# Altium PCB rt10.PcbDoc (part 2 of 4) (continued)
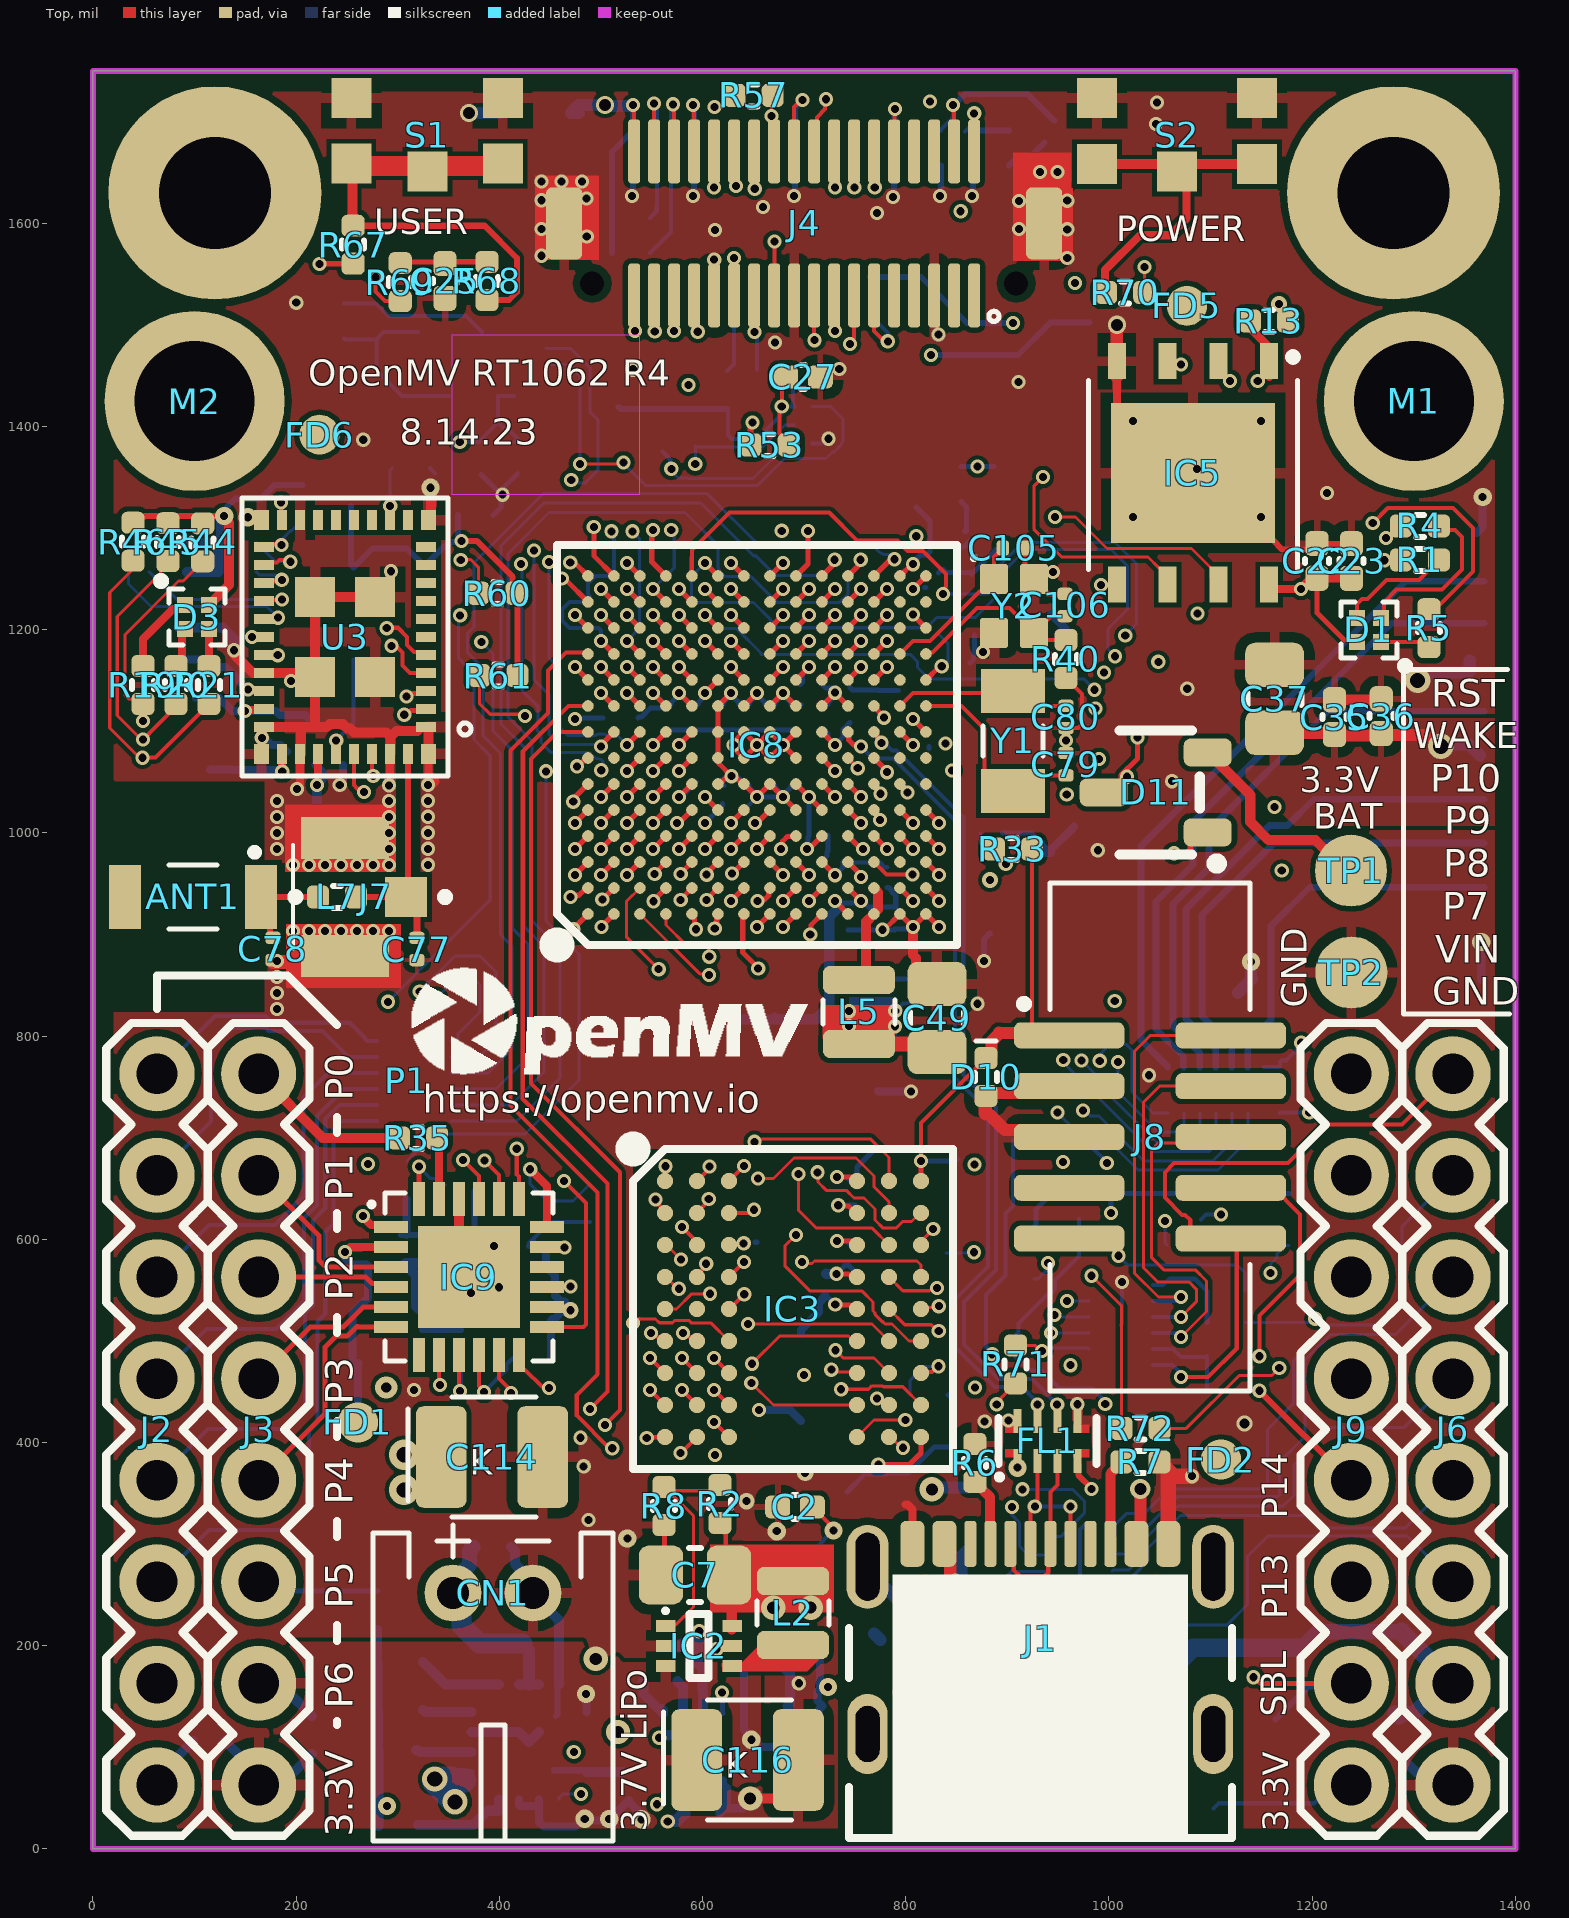
[diagram p0: Top view]
## Nets (pads, with @x,y where several pads share a name; then routed paths per layer and width w, separated by ;. In a path a pad name is that pad's centre, name@x,y a point inside that pad or via, vN(x,y) a via of type N, cw(c..) or ccw(c..) an arc to the next point about the centre after c; other vN are vias at no path point) (continued)
DCMI_D6: IC8.G14 J4.24 | length 543.5
  Top w4: J4.24@650.79,1670.87 651.08,1670.58 651.08,1634.44 v1(651.37,1634.15)
  Top w5: v1(627.95,1265.74) IC8.G14@640.74,1252.95
  L4 w3: v1(627.95,1265.74) 627.95,1447.84 611.22,1464.57 611.22,1536.42 592.52,1555.12 592.52,1595.47 572.83,1615.16 572.83,1630.28 594.55,1652 644,1652 651.37,1644.63 v1(651.37,1634.15)
DCMI_D7: IC8.F11 J4.22 R57.1 | length 751.9
  Top w3: v1(667.85,1705.78) 667.85,1724.85 R57.1@669,1726
  Top w4: v1(667.85,1705.78) 669.16,1704.47 669.16,1672.18 J4.22@670.47,1670.87
  Top w5: v1(602.36,1188.97) IC8.F11@615.15,1176.18
  L4 w3: v1(602.36,1188.97) 600.26,1191.07 600.26,1195.74 589.86,1206.14 589.86,1274.9 605.32,1290.35 605.32,1441.93 571.24,1476 523,1476 517,1482 517,1502 565.11,1550.11 565.11,1639.67 631.22,1705.78 v1@667.82,1705.78
DCMI_FSIN: J4.23 R28.1 | length 73.9
  Top w4: J4.23@650.79,1529.13 650.9,1529.02 650.9,1493.12 v1(651.01,1493.02)
  Bottom w4: v1(651.01,1493.02) 651.01,1490.85 653.54,1488.32 R28.1@653.54,1456.37
DCMI_HSYNC: IC8.L10 J4.18 | length 793.4
  Top w4: J4.18@709.84,1670.87 712.49,1673.52 712.49,1704.37 720.69,1712.57 720.69,1721.37 v1(721.48,1722.16)
  Top w5: IC8.L10@743.11,1150.59 v1(755.9,1163.38)
  L4 w3: v1(721.48,1722.16) 722.37,1721.27 762.98,1721.27 820,1664.25 820,1618 865,1573 865,1426.46 768.4,1329.86 768.4,1289 776.27,1281.13 776.27,1263.04 793.99,1245.33 793.99,1182.99 786.88,1175.88 768.4,1175.88 v1(755.9,1163.38)
DCMI_MISO: IC8.E7 J4.15 | length 550.1
  Top w4: J4.15@729.53,1529.13 729.92,1528.74 729.92,1494.49 v1(730.32,1494.09)
  Top w5: v1(576.77,1061.02) IC8.E7@589.56,1073.81
  L4 w3: v1(576.77,1061.02) 576.77,1064 580.03,1067.25 580.03,1068.03 640.75,1128.75 640.75,1145.67 648,1152.92 648,1306.46 707.68,1366.14 707.68,1452.68 730.32,1475.32 v1(730.32,1494.09)
DCMI_MOSI: IC8.E8 J4.17 | length 525.4
  Top w4: J4.17@709.84,1529.13 709.84,1485.48 v1(710.27,1485.05)
  Top w5: v1(576.77,1086.62) IC8.E8@589.56,1099.41
  L4 w3: v1(576.77,1086.62) 615.44,1125.29 615.44,1196.44 621.06,1202.06 637.06,1202.06 641,1206 641,1312.26 699.8,1371.06 699.8,1474.58 v1(710.27,1485.05)
DCMI_PCLK: IC8.D13 J4.14 | length 648.6
  Top w4: J4.14@749.21,1670.87 749.29,1670.79 749.29,1635.46 v1(749.38,1635.38)
  Top w5: v1(551.18,1240.15) IC8.D13@563.97,1227.36
  L6 w3: v1(569.19,1298.12) 569.19,1299.91 507.26,1361.84 507.26,1487.44 530.83,1511 557,1511 574,1528 657,1528 749.38,1620.38 v1(749.38,1635.38)
  Bottom w3: v1(551.18,1240.15) 572.11,1261.08 572.11,1292.23 569.19,1295.15 v1(569.19,1298.12)
DCMI_PWDN: IC8.C11 J4.25 R29.1 | length 629.3
  Top w5: v1(525.59,1188.97) IC8.C11@538.38,1176.18
  L6 w3: v1(530.9,1296.89) 528.81,1298.98 528.81,1305.06 493.26,1340.61 493.26,1495.27 525.03,1527.03 541.03,1527.03 563,1549 614,1549 v1(631,1566)
  Bottom w3: v1(525.59,1188.97) 538,1201.38 538,1213.05 ccw(c525.59,1214.56) 538,1216.06 538,1238.64 ccw(c525.59,1240.15) 538,1241.65 538,1264.23 538.09,1264.33 538.09,1265.74 538.09,1267.15 538,1267.24 538,1289.79 v1(530.9,1296.89)
  Bottom w4: R29.1@624.02,1454.72 631,1461.71 v1(631,1566)
DCMI_RST: IC8.B11 J4.21 R27.1 | length 766.7
  Top w4: J4.21@670.47,1529.13 670.62,1529.28 670.62,1581.87 v1(670.79,1582.04)
  Top w5: v1(500,1188.97) IC8.B11@512.79,1176.18
  L6 w3: v1(510.45,1296.89) 510,1297.34 510,1309.26 503.06,1316.2 482.7,1316.2 450,1348.9 450,1462.8 522.41,1535.21 533.21,1535.21 577,1579 664.77,1579 667.81,1582.04 v1(670.79,1582.04)
  Bottom w3: v1(670.79,1582.04) 670.82,1547.69 R27.1@674.21,1544.29
  Bottom w4: v1(500,1188.97) 499.86,1189.11 499.86,1199.22 497.52,1201.56 469.03,1201.56 461.41,1209.17 461.41,1219.94 469.03,1227.56 486.21,1227.56 488.55,1229.9 488.55,1233.22 487,1234.76 487,1245.53 494.62,1253.15 510.25,1253.15 512.59,1255.49 512.59,1271.12 512.8,1271.33 512.8,1289.55 512.36,1289.98 512.36,1294.97 v1(510.45,1296.89)
DCMI_SCL: IC8.J11 J4.32 R30.1 | length 1011
  Top w4: v1(571,1717.17) 572.05,1716.12 J4.32@572.05,1670.87
  Top w5: IC8.J11@691.93,1176.18 v1(704.72,1188.97)
  L4 w3: v1(571,1717.17) 588.17,1700 614.75,1700 633.39,1718.64 672.67,1718.64 698.31,1693 753,1693 801,1645 801,1604 811,1594 811,1392.26 742.77,1324.04 742.77,1238.26 743.4,1237.63 743.4,1209.97 734.9,1201.47 717.22,1201.47 v1(704.72,1188.97)
  Bottom w4: R30.1@548.23,1570.87 568.9,1591.54 568.9,1710.7 569.08,1710.89 569.08,1715.26 v1(571,1717.17)
DCMI_SCLK: IC8.D8 J4.13 | length 640.1
  Top w4: 749.21,1487.2 J4.13@749.21,1529.13
  Top w5: v1(551.18,1086.62) IC8.D8@563.97,1099.41
  L4 w3: v1(551.18,1086.62) 552.35,1085.45 552.35,1077.53 563.68,1066.2 563.68,1050.51 565.67,1048.52 581.95,1048.52 604.61,1071.19 604.61,1080.01 648.25,1123.65 657.08,1123.65 666.04,1132.61 666.04,1142.97 655,1154.01 655,1299.27 751,1395.27 751,1474.1 745,1480.1 v1(745,1481.35)
DCMI_SDA: IC8.K11 J4.34 R31.1 | length 1031.4
  Top w4: v1(552.31,1717.88) 552.36,1717.82 J4.34@552.36,1670.87
  Top w5: IC8.K11@717.52,1176.18 v1(730.31,1188.97)
  L4 w3: v1(552.31,1717.88) 564.47,1730.04 671.96,1730.04 700.26,1701.74 767.75,1701.74 810,1659.49 810,1610 855,1565 855,1426.36 761,1332.36 761,1286 768.99,1278.01 768.99,1209.97 761.08,1202.06 760.06,1202.06 760,1202 750.07,1202 738.8,1190.74 732.08,1190.74 v1(730.31,1188.97)
  Bottom w4: R31.1@548.23,1605.32 554.88,1611.97 554.88,1616.84 555.12,1617.08 555.12,1712.36 552.31,1715.17 v1(552.31,1717.88)
DCMI_SSEL: IC8.D7 J4.11 R24.1 | length 749.7
  Top w4: J4.11@768.9,1529.13 768.9,1493.9 777.55,1485.24 780.98,1485.24 v1(782.32,1483.91)
  Top w5: v1(551.18,1061.02) IC8.D7@563.97,1073.81
  L4 w3: v1(551.18,1061.02) 552.36,1059.85 552.36,1051.93 563.68,1040.61 563.68,1030.32 570,1024 571,1024 572.07,1022.93 581.95,1022.93 589.27,1030.25 589.27,1040.01 590.31,1041.05 590.31,1045.14 618.01,1072.83 684.06,1072.83 691.8,1080.58 691.8,1219.32 699.54,1227.06 701.71,1227.06 702.01,1227.36 708.66,1227.36 708.95,1227.65 709.9,1227.65 717.45,1235.2 717.45,1281.45 725,1289 725,1316.16 782.32,1373.49 v1(782.32,1483.91)
  Bottom w4: R24.1@764.76,1509.84 782.38,1492.23 782.38,1483.96 v1(782.32,1483.91)
DCMI_VSYNC: IC8.D14 J4.16 | length 600.9
  Top w4: J4.16@729.53,1670.87 729.96,1670.44 729.96,1635.94 v1(730.4,1635.5)
  Top w5: v1(551.08,1298.17) 549.99,1297.08 549.99,1266.93 551.18,1265.74 IC8.D14@563.97,1252.95
  L6 w3: v1(551.08,1298.17) 551.08,1300.58 500.26,1351.4 500.26,1491.71 527.09,1518.54 548.54,1518.54 569,1539 650,1539 730.4,1619.4 v1(730.4,1635.5)
EN: IC2.5 Q1.3 R3.1 | length 813.6
  Top w3: IC2.5@627.23,198.15 IC2.5@628.77,196.6
  Top w5: v1@613.72,196.63 625.71,196.63 IC2.5@627.23,198.15
  L4 w3: v1(613.69,196.66) 612.21,198.14 612.21,227.08 721.13,336 852,336 873,357 873,385 894,406 964.3,406 v1(996.35,438.04)
  Bottom w4: Q1.3@970.47,620.08 970.47,583.66 947.01,560.2 947.01,550.48 941.7,545.18 938.88,545.18 R3.1@916.34,522.64 910.74,517.04 910.74,508.74 901,499 901,491 921.17,470.83 934.17,470.83 952,453 984,453 996.35,440.65 v1(996.35,438.04)
ETH_INT: IC8.C10 IC9.18 R36.1 | length 786.6
  Top w5: v1(525.59,1163.38) IC8.C10@538.38,1150.59
  Top w8: v1@430.66,668.7 446.85,652.52 IC9.18@446.85,612.2
  L4 w3: v1(430.28,669.09) 430.82,669.63 430.82,753.98 426,758.8 426,847.8 392,881.8 392,1118.54 411.42,1137.96 482.5,1137.96 494.82,1150.29 504.59,1150.29 511.88,1157.58 518.33,1157.58 524.13,1163.38 v1(525.59,1163.38)
  Bottom w3: v1(430.28,669.09) 430.28,654.36 446.85,637.8 472.44,637.8 R36.1@489.17,654.53
ETH_LED: IC9.23 R35.1 | length 69.9
  Top w8: R35.1@334.98,707.1 340.05,702.03 340.55,702.03 IC9.23@340.55,639.76
ETH_MDC: IC8.A7 IC9.11 | length 700.3
  Top w4: IC9.11@399.61,486.22 399.51,486.12 399.51,463.06 408.45,454.12 408.45,453.68 411.42,450.71 v1(411.42,448.82)
  Top w5: v1(476.3,1065.62) 477.65,1065.62 485.84,1073.81 IC8.A7@487.2,1073.81
  L6 w3: v1(411.42,448.82) 423.23,460.63 423.23,636.23 457,670 457,1039 474.21,1056.21 474.21,1063.53 v1(476.3,1065.62)
ETH_MDIO: IC8.C7 IC9.10 R39.1 | length 832.5
  Top w4: IC9.10@379.92,486.22 379.92,455.65 384.84,450.72 v1(384.84,449.8)
  Top w5: v1(525.59,1061.02) IC8.C7@538.38,1073.81
  L6 w3: v1(384.84,449.8) 384.84,446.85 402.56,429.13 416.34,429.13 434.06,446.85 434.06,599.41 485.75,651.1 485.75,952.32 487.5,954.07 487.5,1043 492.5,1048 493,1048 493.43,1048.43 513,1048.43 v1(525.59,1061.02)
  Bottom w4: v1(384.84,449.8) 406.73,471.69 406.73,476.62 R39.1@413.39,483.27
ETH_RST: C65.2 IC8.D10 IC9.24 R34.1 | length 761.6
  Top w3: v1(320.77,671.58) v1@320.87,671.48
  Top w5: IC9.24@320.87,639.76 v1@320.87,671.48 ; v1(551.18,1163.38) IC8.D10@563.97,1150.59
  L4 w3: 449.37,1067.37 490,1108 524,1108 538.39,1122.39 538.39,1142.67 546,1150.29 546.31,1150.29 550.16,1154.14 550.16,1162.36 v1(551.18,1163.38)
  Bottom w3: R34.1@309.06,677.17 335.63,703.74 425.2,703.74 478.35,756.89 478.35,880.74 445.8,913.28 v1(445.8,1060.68) ; v1(320.77,671.58) 332.58,659.78 340.81,659.78 C65.2@347.05,653.54
ETH_RXD0: IC8.E12 IC9.13 | length 911.6
  Top w4: IC9.13@446.85,513.78 482.89,513.78 485.24,516.13 485.24,635.96 v1(463.6,657.6)
  Top w5: v1(576.77,1214.56) IC8.E12@589.56,1201.77
  L4 w3: v1@462.71,657.1 470.49,664.88 470.49,734.11 440,764.6 440,853.6 414,879.6 414,1001.13 463.8,1050.92 493.96,1050.92 495.64,1049.25 506.4,1049.25 513.09,1055.93 513.09,1071.76 515.45,1074.12 530.77,1074.12 538.42,1081.77 538.42,1091.54 546.07,1099.19 553.91,1099.19 580.62,1125.9 ccw(c576.77,1137.79) 588.66,1133.94 589.86,1135.14 589.86,1194.42 578.38,1205.9 578.38,1212.95 v1(576.77,1214.56)
ETH_RXD1: IC8.D12 IC9.12 | length 999.5
  Top w4: IC9.12@419.29,486.22 419.29,475.4 423.19,471.49 425.41,471.49 441.86,455.04 447.52,455.04 v1(448.82,453.74)
  Top w5: v1(551.18,1214.56) IC8.D12@563.97,1201.77
  L4 w3: v1(448.82,453.74) 483.96,488.88 483.96,616.31 445,655.27 445,749.7 433,761.7 433,850.7 404,879.7 404,1117.15 415,1128.15 491.96,1128.15 494.82,1125.29 505.18,1125.29 513.09,1133.2 513.09,1142.97 520.71,1150.58 530.47,1150.58 538.09,1158.2 538.09,1159.15 538.68,1159.74 538.68,1194.15 550.01,1205.47 550.01,1213.38 v1(551.18,1214.56)
ETH_RXDV: IC8.C12 IC9.15 | length 836.1
  Top w5: v1(525.59,1214.56) IC8.C12@538.38,1201.77
  L4 w3: v1(470,553.62) 470,554.03 476.68,560.72 476.68,609.15 472.31,613.53 464.23,613.53 410.43,667.32 410.43,677.17 382.2,705.4 382.2,810.8 378,815 378,1148.1 419.9,1190 480,1190 492,1202 507,1202 517.45,1212.45 523.49,1212.45 v1(525.59,1214.56)
ETH_RXERR: IC8.C13 IC9.17 | length 881.5
  Top w5: v1(525.59,1240.15) IC8.C13@538.38,1227.36
  L4 w3: v1@469.68,592.1 v1(464.18,592.1) 404.71,651.57 370.69,651.57 351,671.26 351,1184.49 396.57,1230.06 492.62,1230.06 ccw(c500,1240.15) 507.38,1230.06 515.5,1230.06 v1(525.59,1240.15)
ETH_TXCLK: IC8.B13 IC9.8 | length 1009.3
  Top w4: IC9.8@340.55,486.22 340.55,457.68 v1(341.54,456.69)
  Top w5: v1(500,1240.15) IC8.B13@512.79,1227.36
  L4 w3: v1(341.54,456.69) 341.54,787.4 306.1,822.83 306.1,880.1 344,918 344,1224 360.15,1240.15 454.25,1240.15 ccw(c461.32,1250.46) 468.39,1240.15 v1(500,1240.15)
ETH_TXD0: IC8.B12 IC9.20 | length 702.1
  Top w4: v1(385.21,677.62) 399.61,663.23 IC9.20@399.61,639.76
  Top w5: v1(500,1214.56) IC8.B12@512.79,1201.77
  L4 w3: v1@389.3,674.57 375.2,688.67 375.2,804.8 370,810 370,1150 422,1202 479.74,1202 491.02,1213.28 498.72,1213.28 v1(500,1214.56)
ETH_TXD1: IC8.A12 IC9.21 | length 699.1
  Top w4: v1(364.07,678.04) 379.92,662.19 IC9.21@379.92,639.76
  Top w5: v1(474.41,1214.56) IC8.A12@487.2,1201.77
  L4 w3: v1(364.07,678.04) 364.07,794.93 358,801 358,1181.59 390.97,1214.56 v1(474.41,1214.56)
ETH_TXEN: IC8.A13 IC9.19 | length 849.4
  Top w4: v1(417.11,689.26) 417.11,663.87 419.29,661.69 IC9.19@419.29,639.76
  Top w5: v1(461.32,1250.46) 463.04,1248.73 465.82,1248.73 IC8.A13@487.2,1227.36
  L4 w3: v1(417.11,689.26) 409.45,696.92 409.45,842.52 385,866.97 385,1128.22 432.78,1176 508,1176 513.09,1181.09 513.09,1194.15 520.41,1201.47 530.18,1201.47 538.09,1209.38 538.09,1245.33 530.77,1252.65 527.86,1252.65 527.56,1252.95 468.58,1252.95 468.19,1252.56 463.42,1252.56 v1(461.32,1250.46)
ETH_VDD_1.2: C83.2 C84.1 IC9.1 | length 32.6
  Top w8: v1(265.89,622.95) 265.89,621.79 273.57,614.11 291.4,614.11 IC9.1@293.31,612.2
ETH_VDDA_3.3: C81.1 C82.2 C85.1 IC9.2 L8.1 | length 229.5
  Top w8: v1(248,587.62) 248.54,587.62 253.22,592.31 263.68,592.31 263.9,592.52 IC9.2@293.31,592.52
  Bottom w8: v1(248,587.62) 248.38,587.24 248.38,580.24 253.16,575.46 269.12,575.46 270.52,574.07 270.52,542.18 255.51,527.17 L8.1@255.51,478.38 ; C82.2@260.87,430.62 260.87,477.8 L8.1@261.45,478.38
FB: IC2.1 R2.1 R8.2 | length 221.5
  Top w3: IC2.1@558.72,217.8 561.61,220.7 573.51,220.7 591,238.19 591,327.94 R8.2@566.32,352.62 ; R8.2@562.01,356.3 565.69,352.62 R8.2@566.32,352.62 ; R2.1@616.4,353.13 615.89,352.62 R8.2@566.32,352.62
FEED: ANT1.1 C78.1 L7.1 | length 81.8
  Top w6: ANT1.1@173.23,937.01 L7.1@217.32,937.01 ; C78.1@174.22,899.99 ANT1.1@174.22,936.02 ; C78.1@177.13,896.8 C78.1@177.13,897.08
  Top w13.78: ANT1.1@173.23,937.01 ANT1.1@174.22,936.02
GND: C1.1 C2.1 C3.1 C4.1 C5.1 C6.2 C7.2 C8.1 C9.1 C10.1 C11.1 C12.2 C13.2 C14.2 C15.2 C16.2 C17.1 C18.1 C19.2 C20.2 C21.1 C22.2 C23.1 C24.2 C25.1 C26.2 C27.1 C28.2 C29.2 C30.2 C31.1 C32.2 C33.1 C34.2 C35.1 C36.2 C37.2 C38.2 C39.1 C40.1 C41.1 C42.1 C43.2 C44.1 C45.2 C46.1 C47.2 C48.2 C49.1 C50.2 C51.2 C52.1 C53.2 C54.2 C55.2 C56.2 C57.1 C58.1 C59.2 C60.1 C61.1 C62.2 C63.2 C64.2 C65.1 C66.1 C67.2 C68.1 C69.2 C70.2 C71.2 C72.1 C73.1 C74.2 C75.2 C76.2 C77.2 C78.2 C79.2 C80.2 C81.2 C82.1 C83.1 C84.2 C85.2 C86.1 C87.1 C88.2 C89.2 C90.1 C91.1 C92.1 C93.1 C94.1 C95.1 C96.2 C97.1 C98.1 C99.1 C100.1 C101.1 C102.2 C103.1 C104.1 C105.2 C106.2 C107.2 C108.1 C109.2 C110.2 C111.2 C112.1 C113.1 C114.2 C116.2 CN1.2 D2.2 D4.2 D5.2 D7.2 D8.2 D10.2 D13.2 D14.2 FL1.5 FL1.8 FL2.13 FL3.17 FL4.13 FL5.13 IC1.1 IC1.4 IC1.5 IC2.2 IC3.A1 IC3.A3 IC3.B7 IC3.C3 IC3.D7 IC3.E3 IC3.J1 IC4.19 IC4.EP IC5.4 IC5.9 IC7.3 IC8.A1 IC8.A14 IC8.B5 IC8.B10 IC8.E2 IC8.E13 IC8.G7 IC8.G8 IC8.H7 IC8.H8 IC8.J7 IC8.J8 IC8.K2 IC8.K6 IC8.K9 IC8.K13 IC8.L9 IC8.N1 IC8.N2 IC8.N5 IC8.N8 IC8.P1 IC8.P14 IC9.22 IC9.25 J1.A1_B12 J1.B1_A12 J3.1 J4.5 J4.19 J4.27 J4.M J5.CD$2 J5.P$6 J5.SH J6.1 J7.2 J7.3 J8.3 J8.5 Q6.G R6.2 R7.2 R8.1 R9.2 R10.2 R11.2 R12.2 R27.2 R37.2 R38.2 R40.2 R41.2 S1.1 S1.5 S2.1 S2.5 TP2.1 U1.2 U2.4 U2.6 U2.8 U2.15 U2.17 U3.1 U3.12 U3.19 U3.21 U3.29 U3.32 U3.33 U3.35 U3.40 U3.42 U3.43 U3.44 U3.45 U3.46 X1.2 Y2.2 Y2.4 | length 5568.9
  Top w4: v1(545.02,404.46) 545.82,405.26 562.73,405.26 IC3.J1@563,405.52 ; IC3.A1@563,657.48 563.2,657.7 563.2,671.76 v1(563.4,671.96) ; J4.27@611.39,1529.16 v1(611.37,1564.29) ; IC3.C3@625.99,594.49 626.79,595.31 639.59,595.31 v1(640.41,596.12) ; IC3.A3@625.99,657.48 v1(640.75,672.25) ; IC3.E3@626.22,531.21 v1(640.99,545.97) ; J4.5@827.95,1529.13 830.97,1526.11 830.97,1491.92 v1(832.31,1490.58) ; C80.2@957.68,1103.17 969.31,1103.17 973.43,1107.28 973.43,1136.81 R40.2@957.68,1152.56
  Top w5: J7.2@248.03,878.94 J7.2@252.79,874.18 ; C77.2@318.24,874.18 C77.2@318.86,874.8 ; v1(469.77,1266.35) 470.73,1265.39 474.76,1265.39 IC8.A14@487.2,1252.95 ; v1(472.99,905.18) 472.99,906.06 IC8.A1@487.2,920.27 ; v1(500,1009.84) IC8.B5@512.79,1022.63 ; v1(500,1163.38) IC8.B10@512.79,1150.59 ; C7.2@558.79,247.05 562.56,250.82 R8.1@562.56,315.22 ; v1(576.77,1240.15) IC8.E13@589.56,1227.36 ; v1@580.88,937.18 IC8.E2@589.56,945.86 ; IC8.J7@691.93,1073.81 v1(679.13,1086.61) ; IC8.J8@691.93,1099.41 v1(679.13,1086.61) ; v1(704.73,933.07) IC8.K2@717.52,945.86 ; IC8.K6@717.52,1048.22 v1(730.31,1035.43) ; IC8.K9@717.52,1125 730.31,1137.79 IC8.L9@743.11,1125 ; IC8.K13@717.52,1227.36 729.32,1239.16 729.32,1242.48 v1@730.27,1243.44 ; v1(731.83,566.08) 743.47,566.08 744.42,565.13 749.83,565.13 IC3.D7@751.97,563 ; v1(733.52,633.56) 734.07,633.01 743.47,633.01 750.5,625.99 IC3.B7@751.97,625.99 ; v1(777,904.74) 778.76,904.74 IC8.N1@794.29,920.27 v1(807.08,907.48) IC8.P1@819.88,920.27 ; IC8.N2@794.29,945.86 v1(807.08,933.07) ; IC8.N5@794.29,1022.63 v1(807.08,1009.84) ; IC8.N8@794.29,1099.41 v1(807.08,1086.62) ; v1(807.09,1240.16) IC8.P14@819.88,1252.95 ; IC8.P1@819.88,920.27 v1(832.67,907.48) ; C105.2@917.5,1280.51 917.5,1258.68 Y2.4@926.18,1250 ; Y2.4@928.23,1240.38 934.95,1240.38 939.92,1235.41 C106.2@956.69,1235.41 ; C79.2@957.68,1078.74 v1(957.68,1090.96) C80.2@957.68,1103.17 ; v1@653.56,1086.62 666.35,1099.41 v1(679.13,1086.61) ; v1(653.54,1086.62) IC8.G7@640.74,1073.81 632.35,1082.2 632.35,1084.94 v1(630.62,1086.66) 632.35,1088.38 632.35,1091.02 IC8.G8@640.74,1099.41 v1(653.54,1086.62) ; v1(653.54,1086.62) IC8.H7@666.34,1073.81 v1(679.13,1086.61)
  Top w6: R40.2@957.68,1152.56 R40.2@958.09,1152.56 ; IC5.9@1157.47,1292.04 1157.47,1291.36 1160.39,1288.44 1161.07,1288.44 1170.62,1278.89 1204.72,1278.89 1206.22,1278.89 1209.22,1281.89 1209.22,1283.39 1210.37,1284.53 C23.1@1230.38,1284.53
  Top w8: U3.33@165.84,1077.75 v1@165.85,1095.79 ; v1(166.19,1093.68) 167.25,1094.73 167.25,1103.41 168.17,1104.33 U3.32@168.31,1104.33 ; v1(200.79,1043.31) 203.74,1046.26 U3.35@203.74,1077.75 ; v1(291.38,1046.92) 292.32,1047.87 U3.40@292.32,1077.75 ; v1@330.22,1050.69 U3.42@330.22,1077.75 ; v1@333.66,1047.41 337.11,1050.86 ; 800,339 801.79,339 806.47,334.31 J1.A1_B12@806.47,297.44 ; IC5.4@1007.68,1448.82 1007.87,1448.63 1007.87,1405.52 1059.06,1354.34 IC5.9@1082.68,1354.34 ; C22.2@1204.72,1277.73 C22.2@1204.72,1278.89
  Top w10: v1(138.75,1179.9) 139.51,1179.14 139.51,1175.49 157.52,1157.48 U3.29@168.31,1157.48 U3.45@218.5,1157.48 ; v2(152.34,1310.74) 153.68,1309.41 164.51,1309.41 U3.21@165.84,1308.07 ; U3.32@168.31,1104.33 204.72,1104.33 ; U3.35@203.74,1077.75 204.72,1077.76 204.72,1104.33 ; U3.44@268.37,1231.63 U3.44@267.72,1232.28 ; U3.40@292.86,1078.29 292.86,1094.56 ; v1(293.28,1257.68) 292.25,1256.64 292.25,1246.96 U3.44@277.56,1232.28 U3.44@267.72,1232.28 ; U3.1@322.9,1104.25 319.08,1100.42 298.72,1100.42 292.86,1094.56 ; U3.42@330.22,1077.75 U3.1@330.22,1104.33 ; U3.12@330.22,1308.07 332.6,1310.45 332.6,1322.12 332.93,1322.45 332.93,1339.01 v2(332.12,1339.82) ; IC9.22@360.24,639.76 360.24,562.99 IC9.25@370.08,562.99 ; v3(646.76,49.69) 689.6,49.69 C116.2@690.13,50.22 ; v1(807.08,907.48) 807.08,879.94 810.05,876.96 810.05,867.86 826.54,851.38 C49.1@835.64,851.38 ; C35.1@1222,1131.13 C36.2@1259.42,1131.13 ; 204.72,1104.33 218.5,1104.33 ; 218.5,1104.33 229.92,1104.33 232.73,1107.14 245.99,1107.14 250.13,1103 253,1103 257,1099 288.43,1099 292.86,1094.56 ; 218.5,1104.33 U3.45@218.5,1153.54 U3.45@218.5,1157.48 ; U3.45@218.5,1157.48 U3.46@218.5,1232.28 U3.44@267.72,1232.28
  Top w12: D10.2@873.52,737.48 D10.2@877.44,741.4 ; 878.94,725.5 D10.2@878.94,739.15 ; D10.2@878.94,741.14 D10.2@878.94,739.15 ; J8.5@954.03,707.59 897.73,707.59 882.3,723.02 878.75,723.02 877.6,724.17 877.6,737.81 D10.2@878.94,739.15 ; J8.3@954.12,744.09 883.88,744.09 D10.2@878.94,739.15 ; IC5.4@1007.68,1448.82 IC5.4@1007.68,1464.34 1007.68,1499.83 v6(1007.98,1500.13)
  Top w13.78: C78.2@177.17,872.83 213.78,872.83 220.47,866.14 235.24,866.14 J7.2@248.03,878.94
  Top w15: J1.B1_A12@1058.44,297.44 J1.B1_A12@1058.44,300.39 R7.2@1058.44,372.26 ; v1(1081.81,366.96) 1063.74,366.96 R7.2@1058.44,372.26 ; R7.2@1053.62,377.08 R7.2@1049.7,381 1049.7,380.41 1053.03,377.08 R7.2@1053.62,377.08 ; R7.2@1053.62,377.08 R7.2@1058.44,372.26
  Bottom w4: C21.1@247,1521.13 278,1521.13 C20.2@279,1520.13 279.38,1520.13 290.76,1508.75 IC4.19@320.01,1508.75 367.25,1508.75 IC4.EP@383,1493 ; R37.2@331.7,1359 R37.2@336.83,1353.87 ; IC7.3@707.68,1383.47 716.92,1383.47 721.5,1388.05 v1(723.89,1388.05) ; C26.2@720.72,1456.77 v1(734.5,1456.77) ; FL4.13@971.5,265.62 971.5,314.39 977.44,320.33 ; FL5.13@1011.81,515.75 1012.8,516.74 v1(1012.8,558.07)
  Bottom w5: C112.1@382,1352.87 402.04,1332.83 402.04,1328.51 401.84,1328.3 401.84,1324.69 401.47,1324.32 401.47,1320.62 C24.2@393.69,1312.84 ; v1(403,1333) 403.9,1333.9 403.9,1339.78 C111.2@418,1353.87 ; v1(474.41,1112.2) 475.76,1112.2 476.75,1113.19 C67.2@502.17,1113.19 ; C86.1@563.98,1101.2 C68.1@590.55,1101.2 C98.1@615.16,1101.2 C103.1@640.75,1101.2 C38.2@666.34,1101.2 C45.2@691.93,1101.2 ; v1(602.36,1009.83) 616.02,1023.49 616.02,1023.84 619.52,1027.34 C48.2@619.52,1029.11 ; C16.2@651.47,597.22 C16.2@653.44,597.22 ; C66.1@718,1146 721.42,1142.58 v1@729.22,1142.58 ; C71.2@718.5,1123.2 719.73,1123.2 723.2,1126.67 723.2,1127.9 729.4,1134.11 729.4,1137.14 v1(730.36,1138.1) ; C62.2@719.32,974.41 722.51,977.6 722.51,981.26 723.58,982.34 C43.2@723.58,998.16 ; v1(731.83,566.08) 739.9,574.15 744.04,574.15 749.29,568.9 C19.2@751.97,568.9 ; v1(733.52,633.56) 750.28,633.58 C13.2@751.97,631.89 ; C56.2@743.09,904.47 C55.2@765.59,904.53 765.75,904.63 776.89,904.63 v1(777,904.74) ; C72.1@745.08,1143.11 747.54,1140.65 772.92,1140.65 773.19,1140.38 792.57,1140.38 C70.2@792.84,1140.1 ; C46.1@766.73,861.61 771.87,856.47 C47.2@807.09,856.47 ; v1@776.02,904.47 776.08,904.54 C109.2@788.55,904.54 ; C109.2@788.35,904.34 C109.2@788.55,904.54 ; C109.2@789.49,904.47 789.42,904.54 C109.2@788.55,904.54 ; v1(807.08,907.48) 804.64,907.48 802.55,905.39 789.41,905.39 C109.2@788.55,904.54 ; v1(807.08,1009.84) v1@807.08,1010.43 ; C50.2@818.43,1241.57 C50.2@819.66,1241.57 ; C101.1@822.83,1083.21 C101.1@822.83,1085.24 ; C59.2@832.28,1256.03 835.74,1259.49 C59.2@836.97,1259.49 839.97,1256.5 862.94,1256.5 C60.1@864.75,1254.69 888.78,1278.72 888.78,1279.53 ; C107.2@863.36,1167.39 866.55,1170.58 866.55,1174.35 867.52,1175.31 C104.1@867.52,1194.94 ; C63.2@895.03,1000 923.51,1000 933.07,990.44 J5.SH@942.92,980.59
  Bottom w6: C84.2@303.32,604.33 308.56,604.33 C96.2@362.2,604.33 ; C85.2@323.82,528.54 323.82,510.83 R38.2@362.2,510.83 ; C96.2@360.83,605.66 362.2,605.66 C96.2@362.2,593.5 ; C96.2@375.56,612.73 375.56,647.8 C65.1@381.3,653.54 ; C90.1@408.5,524.97 C89.2@408.5,546.26 ; U2.17@453.63,77.51 485.63,77.51 U2.8@485.63,75.79 ; U2.17@455.71,130.91 457.35,132.55 457.35,160.51 U2.4@458.66,161.82 ; v1(530.51,1626.97) 531.5,1627.95 C44.1@531.5,1657.09 ; v1(590.55,1626.97) 591.54,1627.95 C42.1@591.54,1657.09 ; v1(689.96,1626.97) 690.94,1627.95 C40.1@690.94,1657.09 ; v1(787.4,1625.98) 788.39,1626.97 C39.1@788.39,1656.1 ; v1(833.66,1626.97) 834.65,1627.95 C52.1@834.65,1657.09 ; v1(865.16,1626.97) 866.14,1627.95 C33.1@866.14,1657.09 ; v1(876.97,874.02) 876.97,895.28 C95.1@882.87,901.18
  Bottom w8: C92.1@114.33,1202.58 114.65,1202.26 C92.1@118.12,1198.79 ; C92.1@115,1198 C92.1@115.63,1197.37 ; v1@165.05,1097.58 165.05,1094.82 v1(166.19,1093.68) ; v1@166.89,1095.74 175.97,1086.65 184.61,1086.65 C74.2@190.94,1080.31 ; v1(242.87,1047.29) 242.87,1048.92 246.06,1052.1 246.06,1054.83 246.14,1054.91 246.14,1066.85 C76.2@246.06,1066.93 ; R9.2@279.9,183.45 R9.2@280.51,184.06 D8.2@280.51,216.53 ; C84.2@308.56,604.33 308.68,604.46 C83.1@308.68,639.61 ; IC1.1@620.08,67.4 620.08,63.96 623.77,60.27 623.77,46.55 ; 623.74,46.52 623.74,41.65 C3.1@622.13,40.05 ; v3@640.1,40.05 C3.1@622.13,40.05 ; v1(655.51,432.09) 686.02,432.09 C14.2@696.85,421.26 ; C18.1@772.64,746.06 773.11,745.59 v1(805.09,745.59) ; J5.SH@933.07,990.44 933.07,980.59 J5.SH@942.92,980.59 942.92,983.51 J5.SH@965.49,1006.08 ; J5.SH@942.92,1215.63 J5.SH@957.32,1201.23 ; J5.SH@1361.88,1295.35 1367.8,1301.28 v2(1367.8,1330.79) ; J5.SH@1366.14,855.59 1366.36,855.81 v2(1366.36,892.74) ; C3.1@622.13,40.05 616.54,40.05 C3.1@616.54,34.45 C3.1@622.13,40.05
  Bottom w10: C75.2@84.39,1202.26 114.65,1202.26 127.74,1202.26 138.75,1191.25 v1(138.75,1179.9) ; D4.2@129.92,106.3 162.99,73.23 J3.1@162.99,62.99 ; J3.1@180.31,62.99 J3.1@162.99,62.99 ; D5.2@215.55,93.5 215.24,93.5 209.13,87.39 209.13,87.08 197.28,75.24 175.24,75.24 J3.1@162.99,62.99 ; R12.2@279.9,137.41 R9.2@279.9,183.45 ; R11.2@280.67,97.6 R12.2@280.67,136.65 ; R10.2@281.18,22.64 R11.2@281.18,96.77 ; C81.2@307.48,576.77 352.55,576.77 C96.2@352.85,577.07 ; C81.2@307.96,576.77 314.3,570.43 314.3,568.36 318.17,564.5 318.17,534.2 C85.2@323.82,528.54 ; U2.15@372.63,115.16 419.29,115.16 U2.17@429.13,105.32 U2.17@438.98,115.16 ; D2.2@411.42,297.24 415.23,293.43 415.23,280.83 CN1.2@433.07,262.99 ; CN1.2@433.07,250.62 458.66,225.03 U2.4@458.66,161.82 ; U2.8@485.63,75.79 C10.1@521.21,75.79 ; C5.1@540.94,165.35 541.86,164.44 541.86,152.54 556.67,137.73 560.12,137.73 561.02,136.83 IC1.5@561.02,133.38 ; U1.2@678.13,189.45 678.13,180.37 685.99,172.51 685.99,142.82 C1.1@683.89,140.72 ; C11.1@721.46,566.12 v1(731.83,566.08) ; D7.2@1285.43,92.52 1285.74,92.52 1291.85,86.41 1291.85,86.1 1302.71,75.24 1326.33,75.24 J6.1@1338.58,62.99
  Bottom w12: v6(370.08,1708.66) C32.2@401.57,1708.66 ; C110.2@768.6,212.04 C110.2@775.06,205.58 ; J5.CD$2@1126.97,842.8 1140.65,856.49 1139.7,857.43 v2(1139.7,873.3) ; v5(1303.72,1150.18) 1307.24,1150.18 1314.87,1157.82 1353.44,1157.82 1355,1159.38 J5.P$6@1355,1169.46
  Bottom w20: CN1.2@433.07,251.97 433.51,251.97 CN1.2@438.8,257.26
  other v1: 694.73,163.09 1022.64,199.8 487.64,323.89 482.93,376.65 612.2,387.8 479.77,404.73 877.61,420.63 900.97,421.76 968.83,437.75 315.88,451.85 699.8,466.54 372.05,547.24 399.75,552.85 394.69,593.5 1039.31,761.58 181.1,826.77 870.52,831.94 181.1,842.52 181.1,858.27 181.1,874.02 196.85,903.54 212.6,903.54 228.35,903.54 244.09,903.54 259.84,903.54 275.59,903.54 291.34,903.54 578.41,934 196.85,968.5 212.6,968.5 228.35,968.5 244.09,968.5 259.84,968.5 275.59,968.5 291.34,968.5 329.66,968.67 989,983 181.1,984.25 291.34,984.25 329.66,984.42 181.1,1000 291.34,1000 329.66,1000.17 181.1,1015.75 291.34,1015.75 329.66,1015.92 181.1,1031.5 291.34,1031.5 329.66,1031.67 329.66,1047.41 1062,1051 839,1088 1077,1142 194.88,1149.61 876.04,1178.24 730.27,1240.15 944.77,1256.95 1023.62,1311.03 1149.61,1311.03 1214.57,1334.65 1086.61,1358.27 266,1387 1023.62,1405.52 1149.61,1405.52 911,1444 671.26,1482.82 200,1522 958.93,1565.94 441.49,1568.11 486.01,1587.09 612.2,1593.5 911.42,1594.49 958.93,1594.16 441.49,1594.57 771.65,1610.24 659.45,1616.14 911.42,1622.05 958.93,1622.38 441.49,1622.78 485.75,1624.52 441.49,1641.16 461,1641.16 481.3,1641.16 932.09,1650.59 949.21,1650.59 1046.26,1697.83 1047.33,1718.96
  other v2: 289.37,42.32 525.94,305.5 672.98,312.8
  other v3: 516.7,115.14 494.84,187.1
  other v4: 643.12,342.35 700.96,370.11 531.5,1456.69
  other v10: 1133.38,418.88